# KiCad board HYDRA_VMM3_Adapter_V2.kicad_pcb (continued)
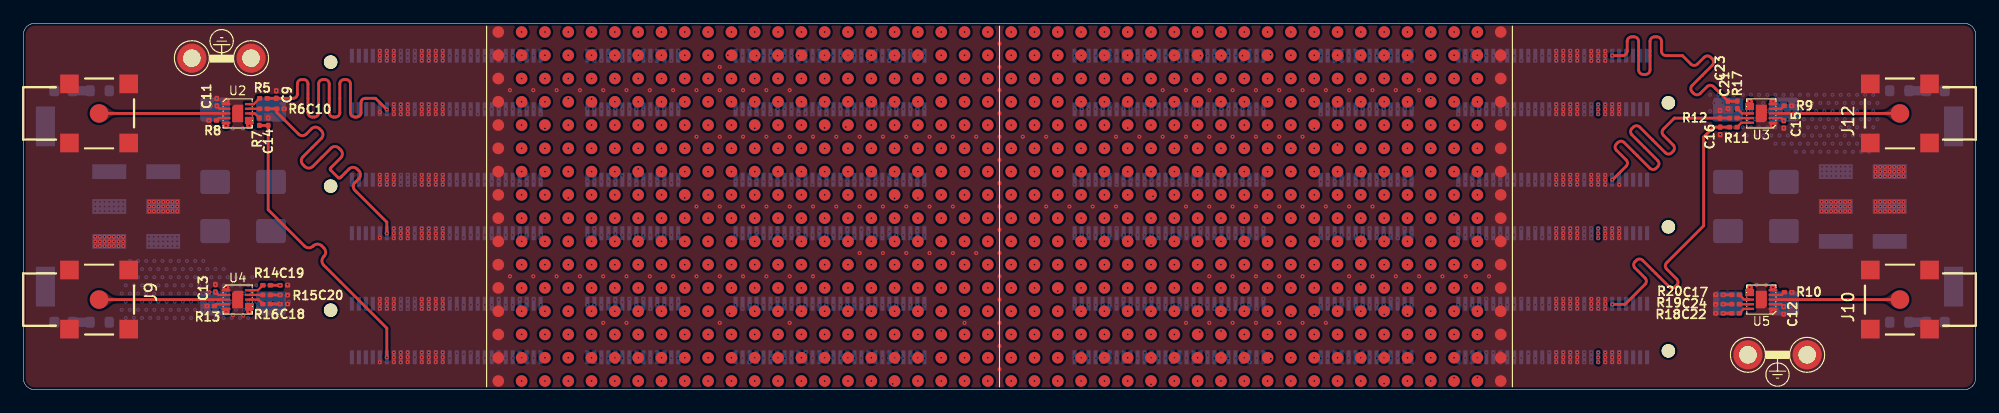
[diagram p0: board, top side]
## Routing (per net, layer and track width the routed paths; a pad name or vN(x,y) marks a point on that pad's centre or on a via; arc(x,y) is an arc through that point) (continued)
  In1.Cu w0.1: v1(72.75,18.75) 71.22,17.22 68.14,17.22 v6(67.71,17.65)
Col_17-Row_8: length 6.3
  In3.Cu w0.1: v4(72.75,16.75) 72.38,17.12 69.44,17.12 68.44,18.12 67.32,18.12 v5(67.1,17.91)
Col_17-Row_9: length 2.5
  In5.Cu w0.1: v7(72.75,14.75) 71.72,14.75 v3(70.71,13.74)
Col_17-Row_10: length 1.7
  In1.Cu w0.1: v1(72.75,12.75) 71.87,12.75 v6(71.31,13.31)
Col_17-Row_11: length 5.9
  In5.Cu w0.1: v7(72.75,10.75) 71.75,10.75 v3(68.31,7.31)
Col_17-Row_12: length 5.6
  In3.Cu w0.1: v5(67.71,7.31) 68.18,7.78 71.78,7.78 v4(72.75,8.75)
Col_17-Row_13: length 6.5
  In1.Cu w0.1: v2(69.56,5.94) 71.94,5.94 v1(72.75,6.75)
  In5.Cu w0.1: v3(67.1,7.31) 68.47,5.94 v2(69.56,5.94)
Col_17-Row_14: length 6.3
  In5.Cu w0.1: v7(72.75,4.75) 71.54,3.54 67.46,3.54 v3(67.1,3.19)
Col_17-Row_15: length 5.5
  In1.Cu w0.1: v1(72.75,2.75) 72.17,2.17 68.24,2.17 v6(67.71,2.71)
Col_17-Row_16: length 5.3
  In5.Cu w0.1: v3(68.31,2.71) 69.71,1.31 71.05,1.31 71.6,0.75 v7(72.75,0.75)
Col_18-Row_1: length 2.3
  In5.Cu w0.1: v7(74.75,30.75) 73.1,29.1 v3(73.1,29.09)
Col_18-Row_2: length 1.1
  In1.Cu w0.1: v1(74.75,28.75) 73.75,28.75 v6(73.71,28.71)
Col_18-Row_3: length 1.7
  In5.Cu w0.1: v7(74.75,26.75) 74.31,27.19 v3(74.31,28.31)
Col_18-Row_4: length 7.2
  In1.Cu w0.1: v1(74.75,24.75) 73.77,24.75 73.13,25.38 v2(69.91,25.38)
  In5.Cu w0.1: v2(69.91,25.38) 69.58,25.38 v3(68.31,24.11)
Col_18-Row_5: length 7.4
  In1.Cu w0.1: v1(74.75,22.75) 74.31,23.19 68.23,23.19 v6(67.71,23.71)
Col_18-Row_6: length 5.8
  In1.Cu w0.1: v6(70.1,17.91) 70.63,17.91 72.21,19.38 73.58,20.75 v1(74.75,20.75)
Col_18-Row_7: length 5.6
  In3.Cu w0.1: v4(74.75,18.75) 70.34,18.75 v5(69.5,17.91)
Col_18-Row_8: length 6.4
  In5.Cu w0.1: v7(74.75,16.45) 70.37,16.45 v3(68.91,17.91)
Col_18-Row_9: length 3.3
  In1.Cu w0.1: v1(74.75,14.75) 73.61,14.75 72.95,14.09 72.25,14.09 v6(71.91,13.75)
Col_18-Row_10: length 2.6
  In1.Cu w0.1: v1(74.75,12.75) 73.31,12.75 v6(72.5,13.56)
Col_18-Row_11: length 6.1
  In5.Cu w0.1: v3(70.1,7.31) 73.55,10.75 v7(74.75,10.75)
Col_18-Row_12: length 6.9
  In1.Cu w0.1: v1(74.75,8.75) 74.18,9.32 70.56,9.32 69.5,8.27 v6(69.5,7.31)
Col_18-Row_13: length 6.1
  In3.Cu w0.1: v4(74.75,6.75) 69.47,6.75 v5(68.91,7.31)
Col_18-Row_14: length 6.7
  In3.Cu w0.1: v5(68.91,2.71) 69.32,3.12 73.12,3.12 v4(74.75,4.75)
Col_18-Row_15: length 6.1
  In1.Cu w0.1: v1(74.75,2.75) 73.73,1.73 v2(70.51,1.73)
  In5.Cu w0.1: v2(70.51,1.73) 70.51,1.77 69.57,2.71 v3(69.5,2.71)
Col_18-Row_16: length 5.4
  In5.Cu w0.1: v7(74.59,0.5) 74.12,0.5 73.25,1.37 71.44,1.37 v3(70.1,2.71)
Col_19-Row_1: length 2.8
  In5.Cu w0.1: v7(76.75,26.75) 75.88,26.75 74.91,27.72 v3(74.91,28.31)
Col_19-Row_2: length 1.3
  In1.Cu w0.1: v1(76.75,28.75) 76.71,28.71 v6(75.5,28.71)
Col_19-Row_3: length 1.9
  In5.Cu w0.1: v7(76.75,30.75) 76.75,30.17 76.1,29.53 v3(76.1,29.11)
Col_19-Row_4: length 8.4
  In1.Cu w0.1: v2(71.21,25.81) 75.69,25.81 v1(76.75,24.75)
  In5.Cu w0.1: v2(71.21,25.81) v3(69.5,24.11)
Col_19-Row_5: length 8.3
  In3.Cu w0.1: v5(68.91,23.74) 69.34,23.3 73.23,23.3 73.78,22.75 v4(76.75,22.75)
Col_19-Row_6: length 6
  In5.Cu w0.1: v3(71.91,17.91) 74.75,20.75 v7(76.75,20.75)
Col_19-Row_7: length 5.8
  In3.Cu w0.1: v4(76.75,18.75) 76.33,18.33 71.72,18.33 v5(71.31,17.91)
Col_19-Row_8: length 6.6
  In5.Cu w0.1: v3(70.71,17.91) 71.75,16.87 76.36,16.87 v7(76.75,16.48)
Col_19-Row_9: length 4.2
  In5.Cu w0.1: v7(76.75,14.75) 74.55,14.75 v3(73.1,13.31)
Col_19-Row_10: length 3.3
  In1.Cu w0.1: v1(76.75,12.75) 76.28,13.22 73.79,13.22 v6(73.71,13.31)
Col_19-Row_11: length 6.2
  In5.Cu w0.1: v3(71.91,7.53) 72.12,7.53 75.34,10.75 v7(76.75,10.75)
Col_19-Row_12: length 6
  In1.Cu w0.1: v1(76.75,8.75) 76.07,8.07 72.01,8.07 v6(71.31,7.37)
Col_19-Row_13: length 6.8
  In1.Cu w0.1: v2(73.42,6.07) 76.07,6.07 v1(76.75,6.75)
  In5.Cu w0.1: v2(73.42,6.07) 71.95,6.07 v3(70.71,7.31)
Col_19-Row_14: length 7.7
  In3.Cu w0.1: v9(72.4,1.76) 72.8,1.76 75.8,4.75 v4(76.75,4.75)
  In5.Cu w0.1: v3(70.71,2.71) 71.66,1.76 v9(72.4,1.76)
Col_19-Row_15: length 5.9
  In1.Cu w0.1: v1(76.75,2.75) 76.24,3.26 71.85,3.26 v6(71.31,2.71)
Col_19-Row_16: length 5.7
  In5.Cu w0.1: v3(71.91,2.71) 72.43,2.19 73.22,2.19 74.28,1.13 76.37,1.13 v7(76.75,0.75)
Col_20-Row_1: length 2.7
  In5.Cu w0.1: v7(78.75,30.75) 78.34,30.75 v3(76.7,29.11)
Col_20-Row_2: length 1.5
  In5.Cu w0.1: v3(77.31,28.71) 77.34,28.75 v7(78.75,28.75)
Col_20-Row_3: length 9.3
  In1.Cu w0.1: v10(77.76,26.77) 77.78,26.75 v1(78.75,26.75)
  In3.Cu w0.1: v10(77.76,26.77) 74.69,23.7 v5(70.7,23.7)
Col_20-Row_4: length 8.6
  In1.Cu w0.1: v1(78.75,24.75) 78.37,24.37 75.66,24.37 74.6,25.43 v2(73.72,25.43)
  In5.Cu w0.1: v2(73.72,25.43) 72.63,25.43 v3(71.31,24.11)
Col_20-Row_5: length 9.7
  In5.Cu w0.1: v3(70.1,24.11) 70.1,23.73 71.38,22.46 78.46,22.46 v7(78.75,22.75)
Col_20-Row_6: length 7
  In1.Cu w0.1: v6(73.71,17.91) 73.71,18.72 76.11,21.12 78.38,21.12 v1(78.75,20.75)
Col_20-Row_7: length 6.3
  In3.Cu w0.1: v4(78.75,18.75) 77.69,18.75 76.44,17.49 73.53,17.49 v5(73.1,17.91)
Col_20-Row_8: length 6.7
  In1.Cu w0.1: v1(78.75,16.75) 78.37,17.13 73.29,17.13 v6(72.5,17.91)
Col_20-Row_9: length 4.9
  In1.Cu w0.1: v1(78.75,14.75) 78.23,14.23 74.94,14.23 v6(74.31,13.6)
Col_20-Row_10: length 4.1
  In5.Cu w0.1: v3(74.91,13.31) 75.53,12.68 78.69,12.68 v7(78.75,12.75)
Col_20-Row_11: length 6.2
  In5.Cu w0.1: v3(73.71,7.31) 76.84,9.95 77.47,10.41 77.96,10.6 v7(78.75,10.75)
Col_20-Row_12: length 6.2
  In3.Cu w0.1: v4(78.75,8.75) 74.55,8.75 v5(73.1,7.31)
Col_20-Row_13: length 6.5
  In1.Cu w0.1: v1(78.75,6.75) 78.19,7.31 v6(72.5,7.31)
Col_20-Row_14: length 7.2
  In5.Cu w0.1: v3(72.5,2.71) 72.51,2.71 74.85,5.05 v7(78.75,5.05)
Col_20-Row_15: length 6.7
  In1.Cu w0.1: v1(78.75,2.75) 77.5,1.5 v2(76.31,1.5)
  In5.Cu w0.1: v3(73.1,2.71) 74.31,1.5 v2(76.31,1.5)
Col_20-Row_16: length 5.9
  In5.Cu w0.1: v3(73.71,2.71) 74.38,2.03 77.47,2.03 v7(78.75,0.75)
Col_21-Row_1: length 10.4
  In3.Cu w0.1: v5(73.1,24.11) 79.75,30.75 v4(80.75,30.75)
Col_21-Row_2: length 10.2
  In3.Cu w0.1: v4(80.75,28.75) 80.41,28.75 74.81,23.15 v9(73.94,23.15)
  In5.Cu w0.1: v3(73.71,24.11) 73.71,23.39 v9(73.94,23.15)
Col_21-Row_3: length 7.5
  In1.Cu w0.1: v2(77.72,25.38) 79.38,25.38 v1(80.75,26.75)
  In5.Cu w0.1: v2(77.72,25.38) 75.58,25.38 v3(74.31,24.11)
Col_21-Row_4: length 9.4
  In5.Cu w0.1: v7(80.75,24.75) 79.68,25.82 75.16,25.82 74.29,24.95 73.34,24.95 v3(72.5,24.11)
Col_21-Row_5: length 9.4
  In1.Cu w0.1: v6(71.91,24.11) 72.22,23.79 79.71,23.79 v1(80.75,22.75)
Col_21-Row_6: length 6.4
  In5.Cu w0.1: v7(80.75,20.75) 78.39,20.75 75.55,17.91 v3(75.5,17.91)
Col_21-Row_7: length 6.2
  In1.Cu w0.1: v6(74.91,17.91) 79.91,17.91 v1(80.75,18.75)
Col_21-Row_8: length 6.9
  In5.Cu w0.1: v3(74.31,17.91) 75.05,17.17 76.49,17.17 76.63,17.03 80.47,17.03 v7(80.75,16.75)
Col_21-Row_9: length 5.8
  In3.Cu w0.1: v5(75.5,13.31) 76.41,14.21 80.21,14.21 v4(80.75,14.75)
Col_21-Row_10: length 5.1
  In5.Cu w0.1: v3(76.1,13.31) 76.48,12.93 77.46,12.93 77.74,13.21 80.29,13.21 v7(80.75,12.75)
Col_21-Row_11: length 6.5
  In5.Cu w0.1: v7(80.75,10.75) 78.35,10.06 75.57,7.31 v3(75.5,7.31)
Col_21-Row_12: length 7.2
  In1.Cu w0.1: v2(77.34,9.68) 77.35,9.66 78.59,9.66 79.5,8.75 v1(80.75,8.75)
  In5.Cu w0.1: v3(74.91,7.31) 74.96,7.31 77.33,9.68 v2(77.34,9.68)
Col_21-Row_13: length 7.2
  In5.Cu w0.1: v3(74.31,7.31) 75.5,6.11 80.11,6.11 v7(80.75,6.75)
Col_21-Row_14: length 7.3
  In5.Cu w0.1: v3(74.31,2.71) 76.12,4.52 80.52,4.52 v7(80.75,4.75)
Col_21-Row_15: length 5.9
  In3.Cu w0.1: v5(74.91,2.71) 74.94,2.75 v4(80.75,2.75)
Col_21-Row_16: length 6.1
  In5.Cu w0.1: v3(75.5,2.71) 75.91,2.3 79.2,2.3 v7(80.75,0.75)
Col_22-Row_1: length 11.7
  In3.Cu w0.1: v9(77.74,23.14) 77.74,24.85 82.75,29.86 v4(82.75,30.75)
  In5.Cu w0.1: v3(76.1,24.11) 77.07,23.14 v9(77.74,23.14)
Col_22-Row_2: length 8.8
  In3.Cu w0.1: v9(78.66,23.73) 78.66,24.66 v4(82.75,28.75)
  In5.Cu w0.1: v9(78.66,23.73) 78.66,23.73 77.08,23.73 v3(76.71,24.11)
Col_22-Row_3: length 6.9
  In3.Cu w0.1: v9(79.3,23.83) 82.22,26.75 v4(82.75,26.75)
  In5.Cu w0.1: v3(77.31,24.11) 77.47,24.28 78.85,24.28 v9(79.3,23.83)
Col_22-Row_4: length 7.8
  In5.Cu w0.1: v3(75.5,24.11) 75.92,24.53 79.56,24.53 79.95,24.14 82.14,24.14 v7(82.75,24.75)
Col_22-Row_5: length 8.7
  In5.Cu w0.1: v7(82.75,22.75) 82.38,23.12 78.27,23.12 77.91,22.77 76.25,22.77 v3(74.91,24.11)
Col_22-Row_6: length 6.7
  In3.Cu w0.1: v4(82.75,20.75) 81.62,20.75 78.53,17.66 v5(77.31,17.66)
Col_22-Row_7: length 6.4
  In5.Cu w0.1: v7(82.75,18.75) 77.55,18.75 v3(76.71,17.91)
Col_22-Row_8: length 7.1
  In5.Cu w0.1: v7(82.75,16.75) 82.22,17.28 76.74,17.28 v3(76.1,17.91)
Col_22-Row_9: length 6.5
  In1.Cu w0.1: v6(76.71,13.66) 76.73,13.68 81.69,13.68 v1(82.75,14.75)
Col_22-Row_10: length 6
  In1.Cu w0.1: v6(77.31,13.31) 78.3,12.32 82.32,12.32 v1(82.75,12.75)
Col_22-Row_11: length 6.9
  In3.Cu w0.1: v4(82.75,10.75) 81.63,10.75 78.19,7.31 v5(77.31,7.31)
Col_22-Row_12: length 6.6
  In5.Cu w0.1: v3(76.71,7.31) 78.15,8.75 v7(82.75,8.75)
Col_22-Row_13: length 7.4
  In5.Cu w0.1: v7(82.75,6.75) 82.22,7.28 80.59,7.28 79.9,6.59 76.83,6.59 v3(76.1,7.31)
Col_22-Row_14: length 7.5
  In5.Cu w0.1: v3(76.1,2.71) 77.25,3.86 81.86,3.86 v7(82.75,4.75)
Col_22-Row_15: length 6.4
  In5.Cu w0.1: v7(82.75,2.75) 82.35,3.15 77.14,3.15 v3(76.71,2.71)
Col_22-Row_16: length 6.3
  In5.Cu w0.1: v3(77.31,2.71) 80.79,2.71 v7(82.75,0.75)
Col_23-Row_1: length 9.9
  In3.Cu w0.1: v4(84.75,30.75) 85.68,30.75 90.5,25.92 v9(90.52,25.92)
  In5.Cu w0.1: v9(90.52,25.92) 91.4,25.04 v3(91.4,24.11)
Col_23-Row_2: length 8.6
  In5.Cu w0.1: v7(84.75,28.75) 84.75,27.7 86.31,26.14 88.77,26.14 v3(90.8,24.11)
Col_23-Row_3: length 6.5
  In5.Cu w0.1: v7(84.75,26.75) 85.88,25.62 88.69,25.62 v3(90.19,24.11)
Col_23-Row_4: length 8.5
  In1.Cu w0.1: v1(84.75,24.75) 85.26,25.26 91.89,25.26 v2(91.94,25.21)
  In5.Cu w0.1: v3(92,24.11) 92,25.15 v2(91.94,25.21)
Col_23-Row_5: length 8.4
  In1.Cu w0.1: v2(89.51,23.57) 85.57,23.57 v1(84.75,22.75)
  In5.Cu w0.1: v2(89.51,23.57) 92.06,23.57 v3(92.59,24.11)
Col_23-Row_6: length 7.8
  In5.Cu w0.1: v7(84.75,20.75) 86.02,19.48 89.83,19.48 v3(91.4,17.91)
Col_23-Row_7: length 6.4
  In5.Cu w0.1: v3(90.8,17.91) 90.66,18.05 85.45,18.05 v7(84.75,18.75)
Col_23-Row_8: length 5.8
  In5.Cu w0.1: v7(84.75,16.75) 85.66,17.66 v3(90.19,17.66)
Col_23-Row_9: length 6
  In5.Cu w0.1: v7(84.75,14.75) 85.73,13.77 89.74,13.77 v3(90.19,13.31)
Col_23-Row_10: length 6.4
  In5.Cu w0.1: v7(84.75,12.75) 85.12,13.12 89.85,13.12 90.04,12.93 90.42,12.93 v3(90.8,13.31)
Col_23-Row_11: length 7.2
  In1.Cu w0.1: v6(90.19,7.31) 87.66,7.31 84.75,10.22 v1(84.75,10.75)
Col_23-Row_12: length 6.7
  In5.Cu w0.1: v7(84.75,8.75) 85.12,8.38 89.85,8.38 90.8,7.43 v3(90.8,7.31)
Col_23-Row_13: length 7.1
  In5.Cu w0.1: v7(84.75,6.75) 85.21,7.21 89.76,7.21 90.04,6.93 91.02,6.93 v3(91.4,7.31)
Col_23-Row_14: length 7.8
  In1.Cu w0.1: v6(91.4,2.71) 91.06,2.38 87.88,2.38 85.5,4.75 v1(84.75,4.75)
Col_23-Row_15: length 6.4
  In5.Cu w0.1: v3(90.8,2.71) 90.79,2.71 90.38,3.12 85.12,3.12 v7(84.75,2.75)
Col_23-Row_16: length 6.3
  In5.Cu w0.1: v3(90.19,2.71) 90.14,2.76 86.76,2.76 v7(84.75,0.75)
Col_24-Row_1: length 10.8
  In3.Cu w0.1: v4(86.75,30.75) 87.71,30.75 92.44,26.02 v9(93.12,26.02)
  In5.Cu w0.1: v9(93.12,26.02) 93.56,25.59 93.56,24.95 v3(94.4,24.11)
Col_24-Row_2: length 9
  In5.Cu w0.1: v7(86.75,28.75) 88.39,27.11 90.92,27.11 93.8,24.23 v3(93.8,24.11)
Col_24-Row_3: length 7.8
  In5.Cu w0.1: v7(86.75,26.75) 90.92,26.75 93.19,24.48 v3(93.19,24.11)
Col_24-Row_4: length 8.5
  In3.Cu w0.1: v5(95,24.11) 94.62,24.11 93.97,24.75 v4(86.75,24.75)
Col_24-Row_5: length 9.4
  In5.Cu w0.1: v7(86.75,22.75) 87.14,23.14 92.6,23.14 93.11,23.65 95.14,23.65 v3(95.59,24.11)
Col_24-Row_6: length 7.6
  In3.Cu w0.1: v5(93.19,17.91) 91.81,19.29 88.21,19.29 v4(86.75,20.75)
Col_24-Row_7: length 7
  In1.Cu w0.1: v2(90.31,19.67) 87.67,19.67 v1(86.75,18.75)
  In5.Cu w0.1: v3(92.59,17.91) 90.84,19.67 v2(90.31,19.67)
Col_24-Row_8: length 5.7
  In5.Cu w0.1: v7(86.75,16.75) 87.27,17.27 91.35,17.27 v3(92,17.91)
Col_24-Row_9: length 5.2
  In5.Cu w0.1: v3(91.4,13.31) 90.69,14.02 87.48,14.02 v7(86.75,14.75)
Col_24-Row_10: length 5.8
  In5.Cu w0.1: v7(86.75,12.75) 87.11,12.39 91.08,12.39 v3(92,13.31)
Col_24-Row_11: length 6.7
  In1.Cu w0.1: v1(86.75,10.75) 87.9,10.75 91.34,7.31 v6(92,7.31)
Col_24-Row_12: length 6.4
  In5.Cu w0.1: v7(86.75,8.75) 91.16,8.75 v3(92.59,7.31)
Col_24-Row_13: length 7
  In3.Cu w0.1: v4(86.75,6.75) 87.74,7.74 92.77,7.74 v5(93.19,7.31)
Col_24-Row_14: length 7.3
  In5.Cu w0.1: v7(86.75,4.75) 87.68,3.82 92.09,3.82 v3(93.19,2.71)
Col_24-Row_15: length 6.3
  In3.Cu w0.1: v5(92.59,2.71) 92.06,3.25 87.25,3.25 v4(86.75,2.75)
Col_24-Row_16: length 6.1
  In5.Cu w0.1: v7(86.75,0.75) 90.03,0.75 v3(92,2.71)
Col_25-Row_1: length 2.9
  In5.Cu w0.1: v7(88.75,30.75) 88.75,30.75 v3(90.8,28.71)
Col_25-Row_2: length 1.5
  In5.Cu w0.1: v7(88.75,28.75) 88.79,28.71 v3(90.19,28.71)
Col_25-Row_3: length 9.1
  In1.Cu w0.1: v1(88.75,26.75) 89.14,26.36 91.49,26.36 91.94,25.91 v2(94.28,25.91)
  In5.Cu w0.1: v3(96.8,24.11) 96.73,24.11 94.93,25.91 v2(94.28,25.91)
Col_25-Row_4: length 8.8
  In1.Cu w0.1: v2(91.66,22.63) 89.55,24.75 v1(88.75,24.75)
  In5.Cu w0.1: v3(96.19,23.7) 95.9,23.4 93.35,23.4 92.58,22.63 v2(91.66,22.63)
Col_25-Row_5: length 9.7
  In5.Cu w0.1: v3(97.4,24.11) 96.44,23.15 93.48,23.15 92.54,22.21 89.29,22.21 v7(88.75,22.75)
Col_25-Row_6: length 7.4
  In5.Cu w0.1: v3(95,17.91) 92.16,20.75 v7(88.75,20.75)
Col_25-Row_7: length 6.7
  In1.Cu w0.1: v2(92.08,19.58) 91.05,19.58 90.22,18.75 v1(88.75,18.75)
  In5.Cu w0.1: v3(94.4,17.91) 92.72,19.58 v2(92.08,19.58)
Col_25-Row_8: length 5.4
  In1.Cu w0.1: v6(93.8,17.64) 93.41,17.26 89.26,17.26 v1(88.75,16.75)
Col_25-Row_9: length 4.4
  In5.Cu w0.1: v7(88.75,14.75) 91.16,14.75 v3(92.59,13.31)
Col_25-Row_10: length 4.7
  In3.Cu w0.1: v5(93.19,13.31) 89.31,13.31 v4(88.75,12.75)
Col_25-Row_11: length 6.5
  In5.Cu w0.1: v7(88.75,10.75) 89.45,10.05 91.06,10.05 v3(93.8,7.31)
Col_25-Row_12: length 5.9
  In3.Cu w0.1: v5(94.4,7.75) 94.05,8.09 89.13,8.09 v4(88.75,8.47)
Col_25-Row_13: length 6.8
  In5.Cu w0.1: v3(95,7.31) 94.06,6.37 89.13,6.37 v7(88.75,6.75)
Col_25-Row_14: length 7.3
  In5.Cu w0.1: v7(88.75,4.75) 89.32,4.18 93.81,4.18 95,3 v3(95,2.71)
Col_25-Row_15: length 6.2
  In3.Cu w0.1: v4(88.75,2.75) 89.25,2.25 94.04,2.25 94.4,2.61 v5(94.4,2.79)
Col_25-Row_16: length 5.9
  In1.Cu w0.1: v6(93.8,2.71) 92.3,1.21 89.21,1.21 v1(88.75,0.75)
Col_26-Row_1: length 2.8
  In5.Cu w0.1: v3(92.59,28.71) 92.59,28.91 v7(90.75,30.75)
Col_26-Row_2: length 1.5
  In1.Cu w0.1: v1(90.75,28.75) 91.02,29.02 91.69,29.02 v6(92,28.71)
Col_26-Row_3: length 1.8
  In1.Cu w0.1: v1(90.75,26.75) 90.75,27.66 v6(91.4,28.31)
Col_26-Row_4: length 8.1
  In1.Cu w0.1: v2(96.46,25.43) 92.83,25.43 92.15,24.75 v1(90.75,24.75)
  In5.Cu w0.1: v3(98,24.11) 96.68,25.43 v2(96.46,25.43)
Col_26-Row_5: length 8.4
  In3.Cu w0.1: v4(90.75,22.75) 91.36,23.36 95.26,23.36 96.01,24.11 v5(98.59,24.11)
Col_26-Row_6: length 7.2
  In3.Cu w0.1: v4(90.75,20.75) 91.91,20.75 94.25,18.41 96.3,18.41 v5(96.8,17.91)
Col_26-Row_7: length 6.1
  In1.Cu w0.1: v1(90.75,18.75) 91.12,19.12 94.98,19.12 v6(96.19,17.91)
Col_26-Row_8: length 5.3
  In5.Cu w0.1: v7(90.75,16.75) 91.19,16.75 91.7,17.26 94.94,17.26 v3(95.59,17.91)
Col_26-Row_9: length 3.4
  In1.Cu w0.1: v1(90.75,14.75) 91.91,14.75 92.81,13.84 v6(93.8,13.84)
Col_26-Row_10: length 4.2
  In1.Cu w0.1: v1(90.75,12.75) 91.2,12.3 93.38,12.3 v6(94.4,13.31)
Col_26-Row_11: length 6.3
  In5.Cu w0.1: v3(95.59,7.31) 92.16,10.75 v7(90.75,10.75)
Col_26-Row_12: length 6.9
  In1.Cu w0.1: v2(95.03,6.25) 93.94,6.25 91.44,8.75 v1(90.75,8.75)
  In5.Cu w0.1: v2(95.03,6.25) 95.13,6.25 v3(96.19,7.31)
Col_26-Row_13: length 6.5
  In3.Cu w0.1: v4(90.75,6.75) 93.91,6.75 94.54,7.38 94.55,7.38 94.77,7.59 94.77,7.6 94.96,7.79 v5(96.8,7.79)
Col_26-Row_14: length 7.5
  In5.Cu w0.1: v3(96.8,2.71) 96.8,3.3 95,5.09 91.09,5.09 v7(90.75,4.75)
Col_26-Row_15: length 6.4
  In1.Cu w0.1: v6(96.19,3.19) 95.31,4.08 92.08,4.08 v1(90.75,2.75)
Col_26-Row_16: length 5.7
  In5.Cu w0.1: v3(95.59,2.71) 94.68,1.79 91.79,1.79 v7(90.75,0.75)
Col_27-Row_1: length 2.7
  In5.Cu w0.1: v3(94.4,28.71) 94.4,29.1 v7(92.75,30.75)
Col_27-Row_2: length 1.1
  In1.Cu w0.1: v6(93.8,28.71) 92.79,28.71 v1(92.75,28.75)
Col_27-Row_3: length 2.1
  In5.Cu w0.1: v7(92.75,26.75) 93.19,27.19 v3(93.19,28.71)
Col_27-Row_4: length 6.8
  In1.Cu w0.1: v6(99.19,23.96) 93.54,23.96 v1(92.75,24.75)
Col_27-Row_5: length 7.4
  In1.Cu w0.1: v1(92.75,22.75) 93.59,23.58 99.67,23.58 v6(99.8,23.71)
Col_27-Row_6: length 7
  In3.Cu w0.1: v4(92.75,20.75) 94.07,19.43 97.08,19.43 v5(98.59,17.91)
Col_27-Row_7: length 6.2
  In1.Cu w0.1: v1(92.75,18.75) 93.28,18.75 94.9,17.12 94.91,17.12 94.92,17.11 v10(95.78,17.11)
  In3.Cu w0.1: v10(95.78,17.11) 97.4,17.11 v5(98,17.71)
Col_27-Row_8: length 5.1
  In5.Cu w0.1: v7(92.75,16.75) 92.94,16.94 96.43,16.94 v3(97.4,17.91)
Col_27-Row_9: length 2.8
  In5.Cu w0.1: v3(95,13.31) 93.56,14.75 v7(92.75,14.75)
Col_27-Row_10: length 3.1
  In3.Cu w0.1: v5(95.59,13.31) 95.03,12.75 v4(92.75,12.75)
Col_27-Row_11: length 6.4
  In5.Cu w0.1: v3(97.4,7.31) 97.4,7.87 95.22,10.04 93.46,10.04 v7(92.75,10.75)
Col_27-Row_12: length 6.6
  In1.Cu w0.1: v2(95.93,6.43) 93.61,8.75 v1(92.75,8.75)
  In5.Cu w0.1: v3(98,7.31) 97.11,6.43 v2(95.93,6.43)
Col_27-Row_13: length 6.8
  In1.Cu w0.1: v1(92.75,6.75) 93.63,5.87 97.09,5.87 v2(97.59,6.38)
  In5.Cu w0.1: v2(97.59,6.38) 97.66,6.38 v3(98.59,7.31)
Col_27-Row_14: length 6.5
  In3.Cu w0.1: v5(98.59,3.19) 98.16,3.62 93.88,3.62 v4(92.75,4.75)
Col_27-Row_15: length 6.1
  In1.Cu w0.1: v6(98,2.71) 97.34,2.05 96.3,2.05 95.21,3.14 93.14,3.14 v1(92.75,2.75)
Col_27-Row_16: length 5.5
  In5.Cu w0.1: v7(92.75,0.75) 93.53,1.53 96.22,1.53 v3(97.4,2.71)
Col_28-Row_1: length 2.9
  In5.Cu w0.1: v7(94.75,30.75) 95.24,30.75 96.19,29.79 v3(96.19,28.71)
Col_28-Row_2: length 0.9
  In1.Cu w0.1: v1(94.75,28.75) 95.56,28.75 v6(95.59,28.71)
Col_28-Row_3: length 2.1
  In5.Cu w0.1: v7(94.75,26.75) 94.75,28.46 v3(95,28.71)
Col_28-Row_4: length 6.3
  In3.Cu w0.1: v5(100.4,24.11) 99.34,25.17 98.34,25.17 97.93,24.75 v4(94.75,24.75)
Col_28-Row_5: length 6.9
  In5.Cu w0.1: v7(94.75,22.49) 99.38,22.49 v3(101,24.11)
Col_28-Row_6: length 6.9
  In3.Cu w0.1: v5(100.4,17.65) 98.05,20 95.5,20 v4(94.75,20.75)
Col_28-Row_7: length 5.7
  In1.Cu w0.1: v6(99.8,17.65) 99.59,17.44 96.06,17.44 v1(94.75,18.75)
Col_28-Row_8: length 5.4
  In3.Cu w0.1: v4(94.75,16.75) 95.28,16.22 97.5,16.22 v5(99.19,17.91)
Col_28-Row_9: length 2
  In5.Cu w0.1: v3(96.19,13.31) 94.75,14.75 v7(94.75,14.75)
Col_28-Row_10: length 2.3
  In1.Cu w0.1: v1(94.75,12.75) 96.24,12.75 v6(96.8,13.31)
Col_28-Row_11: length 5.9
  In5.Cu w0.1: v7(94.75,10.75) 95.75,10.75 v3(99.19,7.31)
Col_28-Row_12: length 6
  In1.Cu w0.1: v1(94.75,8.75) 95.15,9.15 97.67,9.15 99.51,7.31 v6(99.8,7.31)
Col_28-Row_13: length 6.1
  In3.Cu w0.1: v5(100.4,7.31) 100.02,6.93 99.33,6.93 99.11,7.15 95.15,7.15 v4(94.75,6.75)
Col_28-Row_14: length 6.5
  In3.Cu w0.1: v5(100.4,2.71) 98.85,4.25 95.25,4.25 v4(94.75,4.75)
Col_28-Row_15: length 6.2
  In1.Cu w0.1: v2(98.71,1.57) 98.52,1.38 96.12,1.38 v1(94.75,2.75)
  In5.Cu w0.1: v3(99.8,2.71) 99.8,2.66 v2(98.71,1.57)
Col_28-Row_16: length 5.3
  In5.Cu w0.1: v3(99.19,2.71) 97.69,1.2 95.2,1.2 v7(94.75,0.75)
Col_29-Row_1: length 2.6
  In5.Cu w0.1: v3(98,28.71) 98,29.5 v7(96.75,30.75)
Col_29-Row_2: length 0.8
  In1.Cu w0.1: v1(96.75,28.75) 97.19,28.31 v6(97.4,28.31)
Col_29-Row_3: length 2
  In5.Cu w0.1: v7(96.75,26.75) 96.75,27.3 96.8,27.34 v3(96.8,28.71)
Col_29-Row_4: length 5.1
  In1.Cu w0.1: v1(96.75,24.75) 97.16,24.33 100.1,24.33 100.33,24.11 v6(101.59,24.11)
Col_29-Row_5: length 6
  In3.Cu w0.1: v4(96.75,22.75) 97.34,23.33 101.42,23.33 v5(102.19,24.11)
Col_29-Row_6: length 6.6
  In5.Cu w0.1: v3(102.19,17.91) 101.13,18.97 99.06,18.97 97.28,20.75 v7(96.75,20.75)
Col_29-Row_7: length 5.2
  In1.Cu w0.1: v6(101.59,17.91) 101.38,18.12 98.72,18.12 98.09,18.75 v1(96.75,18.75)
Col_29-Row_8: length 4.7
  In5.Cu w0.1: v3(101,17.91) 101,17.72 99.91,16.63 v7(96.93,16.63)
Col_29-Row_9: length 1.7
  In5.Cu w0.1: v3(97.4,13.31) 97.4,14.1 v7(96.75,14.75)
Col_29-Row_10: length 1.6
  In5.Cu w0.1: v3(98,13.31) 97.12,12.44 v7(96.75,12.44)
Col_29-Row_11: length 5.7
  In5.Cu w0.1: v3(101,7.31) 97.56,10.75 v7(96.75,10.75)
Col_29-Row_12: length 5.4
  In3.Cu w0.1: v4(96.75,8.75) 100.16,8.75 v5(101.59,7.31)
Col_29-Row_13: length 5.9
  In1.Cu w0.1: v6(102.19,6.98) 101.5,6.29 98.52,6.29 98.06,6.75 v1(96.75,6.75)
Col_29-Row_14: length 6.8
  In3.Cu w0.1: v4(96.75,4.75) 97.16,5.16 100.05,5.16 102.19,3.01 v5(102.19,2.71)
Col_29-Row_15: length 5.5
  In1.Cu w0.1: v1(96.75,2.75) 97.67,3.67 100.88,3.67 v6(101.59,2.96)
Col_29-Row_16: length 5.2
  In3.Cu w0.1: v5(101,2.71) 100.28,1.99 98.28,1.99 v4(96.75,0.46)
Col_30-Row_1: length 2.5
  In5.Cu w0.1: v3(99.8,28.71) 99.8,29.7 v7(98.75,30.75)
Col_30-Row_2: length 0.6
  In1.Cu w0.1: v1(98.75,28.75) 99.19,28.3 v6(99.19,28.3)
Col_30-Row_3: length 2
  In5.Cu w0.1: v7(98.75,26.75) 98.59,26.91 v3(98.59,28.71)
Col_30-Row_4: length 4.3
  In5.Cu w0.1: v7(98.75,24.75) 102.16,24.75 v3(102.8,24.11)
Col_30-Row_5: length 5.2
  In1.Cu w0.1: v6(103.4,24.11) 102.41,23.13 99.13,23.13 v1(98.75,22.75)
Col_30-Row_6: length 6.4
  In5.Cu w0.1: v7(98.75,20.75) 100.02,19.48 102.43,19.48 v3(104,17.91)
Col_30-Row_7: length 5
  In1.Cu w0.1: v6(103.4,17.91) 103.24,17.91 102.78,18.37 99.13,18.37 v1(98.75,18.75)
Col_30-Row_8: length 4.4
  In1.Cu w0.1: v1(98.75,16.75) 99.13,17.13 102.28,17.13 v6(102.8,17.65)
Col_30-Row_9: length 1.5
  In5.Cu w0.1: v3(98.59,13.31) 98.59,14.59 v7(98.75,14.75)
Col_30-Row_10: length 1.3
  In1.Cu w0.1: v6(99.19,13.84) 99.19,13.19 v1(98.75,12.75)
Col_30-Row_11: length 3
  In1.Cu w0.1: v6(99.8,13.31) 99.8,11.79 v1(98.75,10.75)
Col_30-Row_12: length 4.4
  In1.Cu w0.1: v1(98.75,8.75) 98.89,8.75 99.84,7.8 v6(102.8,7.8)
Col_30-Row_13: length 5.1
  In5.Cu w0.1: v3(103.4,6.99) 102.69,6.29 99.21,6.29 v7(98.75,6.75)
Col_30-Row_14: length 6.1
  In5.Cu w0.1: v7(98.75,4.75) 99.65,3.85 102.85,3.85 v3(104,2.71)
Col_30-Row_15: length 5.8
  In1.Cu w0.1: v1(98.75,2.75) 100.01,1.49 v2(102.38,1.49)
  In5.Cu w0.1: v2(102.38,1.49) 103.4,2.5 v3(103.4,2.71)
Col_30-Row_16: length 5.2
  In5.Cu w0.1: v7(98.75,0.75) 99.3,1.3 101.32,1.3 102.8,2.78 v3(102.8,3.14)
Col_31-Row_1: length 2.4
  In5.Cu w0.1: v3(101.59,28.71) 101.59,29.91 v7(100.75,30.75)
Col_31-Row_2:
  vias: v8(101,28.71)
Col_31-Row_3: length 2.1
  In5.Cu w0.1: v3(100.4,28.71) 100.4,27.1 v7(100.75,26.75)
Col_31-Row_4: length 3.8
  In1.Cu w0.1: v1(100.75,24.75) 101.12,25.12 102.98,25.12 v6(104,24.11)
Col_31-Row_5: length 4.4
  In5.Cu w0.1: v3(104.59,24.11) 104.1,23.62 101.62,23.62 v7(100.75,22.75)
Col_31-Row_6: length 6.2
  In5.Cu w0.1: v7(100.75,20.75) 101.58,19.92 103.78,19.92 v3(105.8,17.91)
Col_31-Row_7: length 4.8
  In3.Cu w0.1: v4(100.75,18.75) 104.13,18.75 104.97,17.91 v5(105.19,17.91)
Col_31-Row_8: length 4.3
  In5.Cu w0.1: v7(100.75,16.75) 103.44,16.75 v3(104.59,17.91)
Col_31-Row_9: length 1.6
  In5.Cu w0.1: v3(100.4,13.31) 100.4,14.39 v7(100.75,14.75)
Col_31-Row_10: length 1.2
  In1.Cu w0.1: v1(100.75,12.75) 101,12.99 v6(101,13.85)
Col_31-Row_11: length 2.9
  In5.Cu w0.1: v7(100.75,10.75) 100.75,12.46 v3(101.59,13.31)
Col_31-Row_12: length 3.6
  In1.Cu w0.1: v1(100.75,8.75) 101.25,8.25 103.55,8.25 v6(104,7.8)
Col_31-Row_13: length 4.1
  In1.Cu w0.1: v6(104.59,7.31) 104.55,7.36 101.36,7.36 v1(100.75,6.75)
Col_31-Row_14: length 5.8
  In5.Cu w0.1: v7(100.94,4.97) 101.23,4.67 103.83,4.67 v3(105.8,2.71)
Col_31-Row_15: length 4.7
  In1.Cu w0.1: v6(105.19,2.4) 105,2.21 101.29,2.21 v1(100.75,2.75)
Col_31-Row_16: length 4.7
  In5.Cu w0.1: v3(104.59,2.71) 102.63,0.75 v7(100.75,0.75)
Col_32-Row_1: length 2.3
  In5.Cu w0.1: v7(102.75,30.75) 103.4,30.1 v3(103.4,28.71)
Col_32-Row_2:
  vias: v8(102.8,28.71)
Col_32-Row_3: length 2.2
  In5.Cu w0.1: v3(102.19,28.71) 102.19,27.3 v7(102.75,26.75)
Col_32-Row_4: length 2.7
  In3.Cu w0.1: v4(102.75,24.75) 104.56,24.75 v5(105.19,24.11)
Col_32-Row_5: length 3.6
  In5.Cu w0.1: v3(105.8,24.11) 104.44,22.75 v7(102.75,22.75)
Col_32-Row_6: length 10.3
  In5.Cu w0.1: v7(102.75,20.75) 103.78,20.75 105.52,19.01 110.8,19.01 v3(111.91,17.91)
Col_32-Row_7: length 9.3
  In1.Cu w0.1: v6(111.31,17.91) 106.93,17.91 105.67,19.17 103.17,19.17 v1(102.75,18.75)
Col_32-Row_8: length 4.1
  In1.Cu w0.1: v1(102.75,16.75) 102.91,16.75 103.91,17.75 106.23,17.75 v6(106.4,17.91)
Col_32-Row_9: length 1.7
  In5.Cu w0.1: v7(102.75,14.75) 102.19,14.19 v3(102.19,13.31)
Col_32-Row_10: length 1.1
  In1.Cu w0.1: v6(102.8,13.86) 102.75,13.81 v1(102.75,12.75)
Col_32-Row_11: length 2.8
  In5.Cu w0.1: v3(103.4,13.31) 103.38,13.3 103.38,11.38 v7(102.75,10.75)
Col_32-Row_12: length 3
  In5.Cu w0.1: v7(102.75,8.75) 103.75,8.75 v3(105.19,7.31)
Col_32-Row_13: length 3.4
  In3.Cu w0.1: v4(102.75,6.75) 103.05,6.45 105.25,6.45 v5(105.8,6.99)
Col_32-Row_14: length 10.6
  In5.Cu w0.1: v3(111.91,2.71) 111.38,2.18 108.3,2.18 105.43,5.05 v7(102.75,5.05)
Col_32-Row_15: length 9.2
  In1.Cu w0.1: v6(111.31,2.7) 111.31,2.73 110.56,3.47 103.47,3.47 v1(102.75,2.75)
